# Altium PCB SG1.PcbDoc (part 1 of 3)
Units mil, origin at the board's own origin, x right, y up, seen from the top; angles counter-clockwise.
Board outline 5869 x 5955 mil, 6 copper layers (Top Layer, GND, PWR, SIGN, GND (Plane2), Bottom Layer), stack 61.068 mil thick; 119 components, 91 nets, 465 pads, 399 vias.
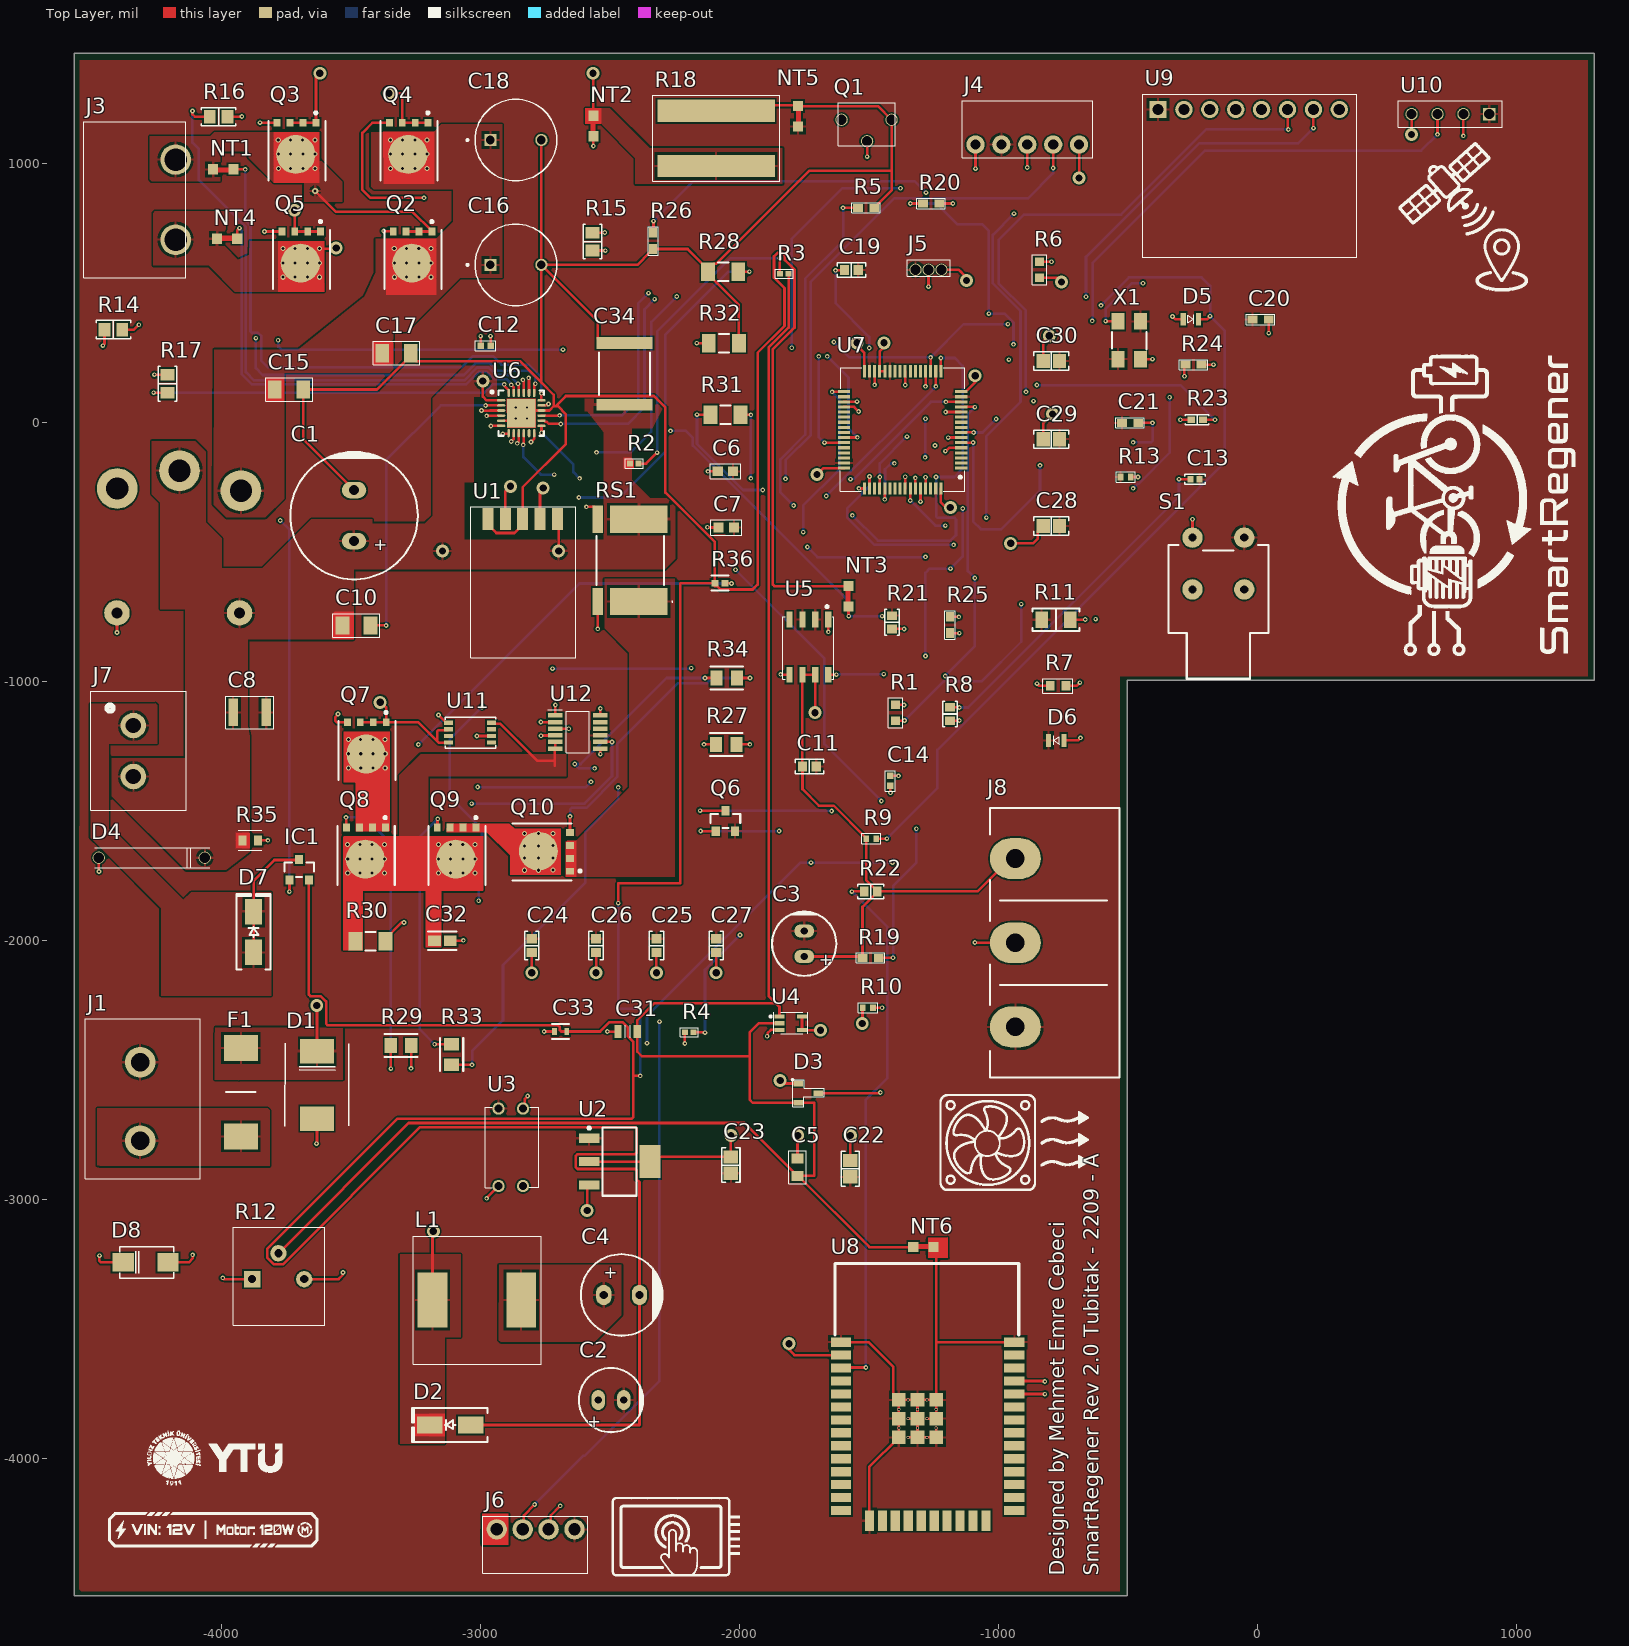
[diagram p0: Top Layer view]
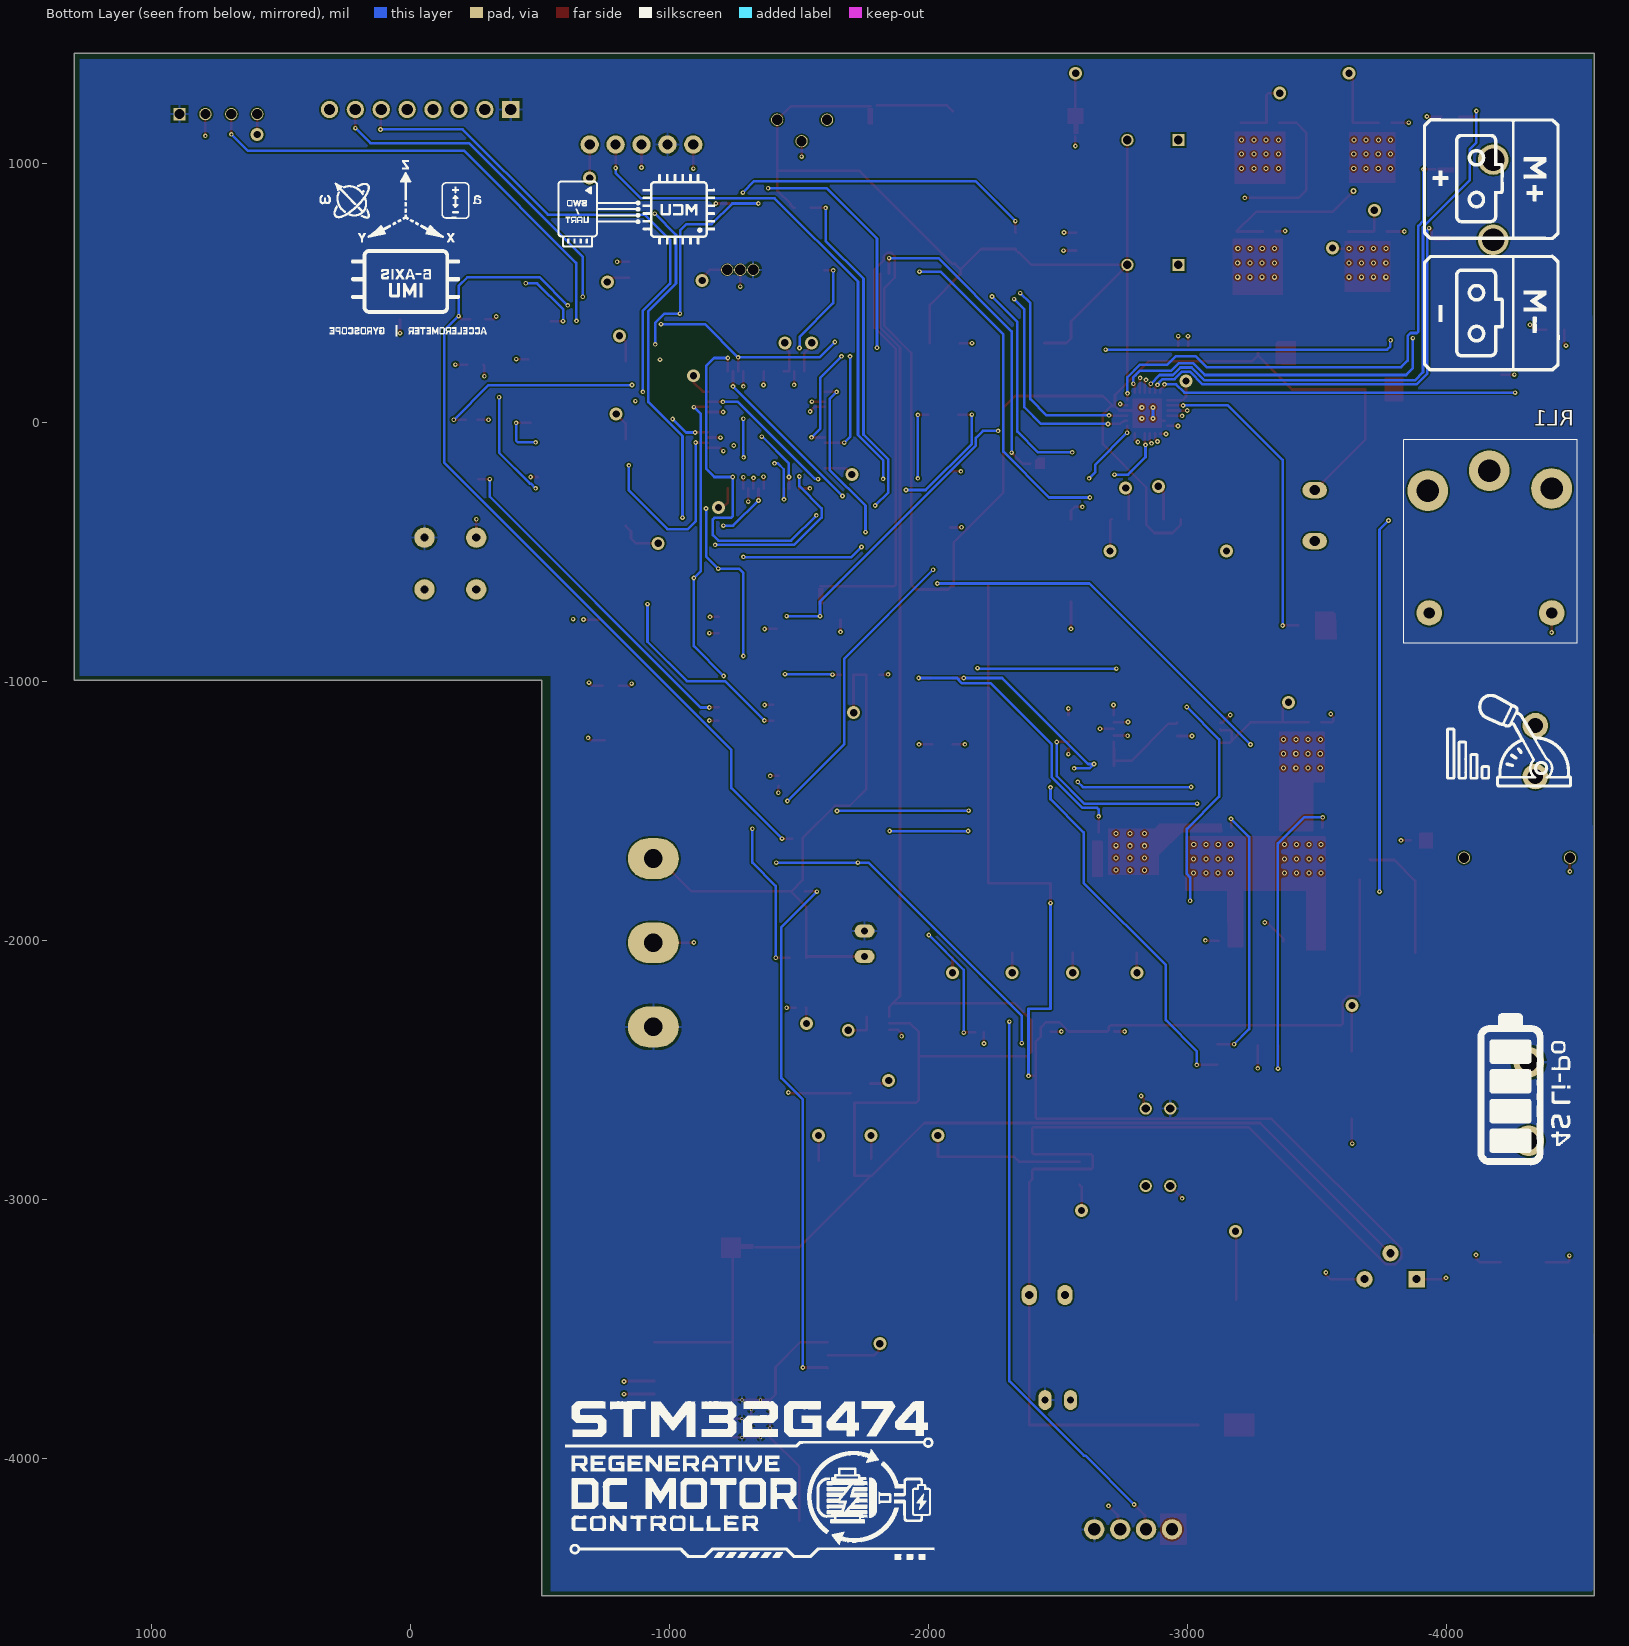
[diagram p1: Bottom Layer view, seen from below]
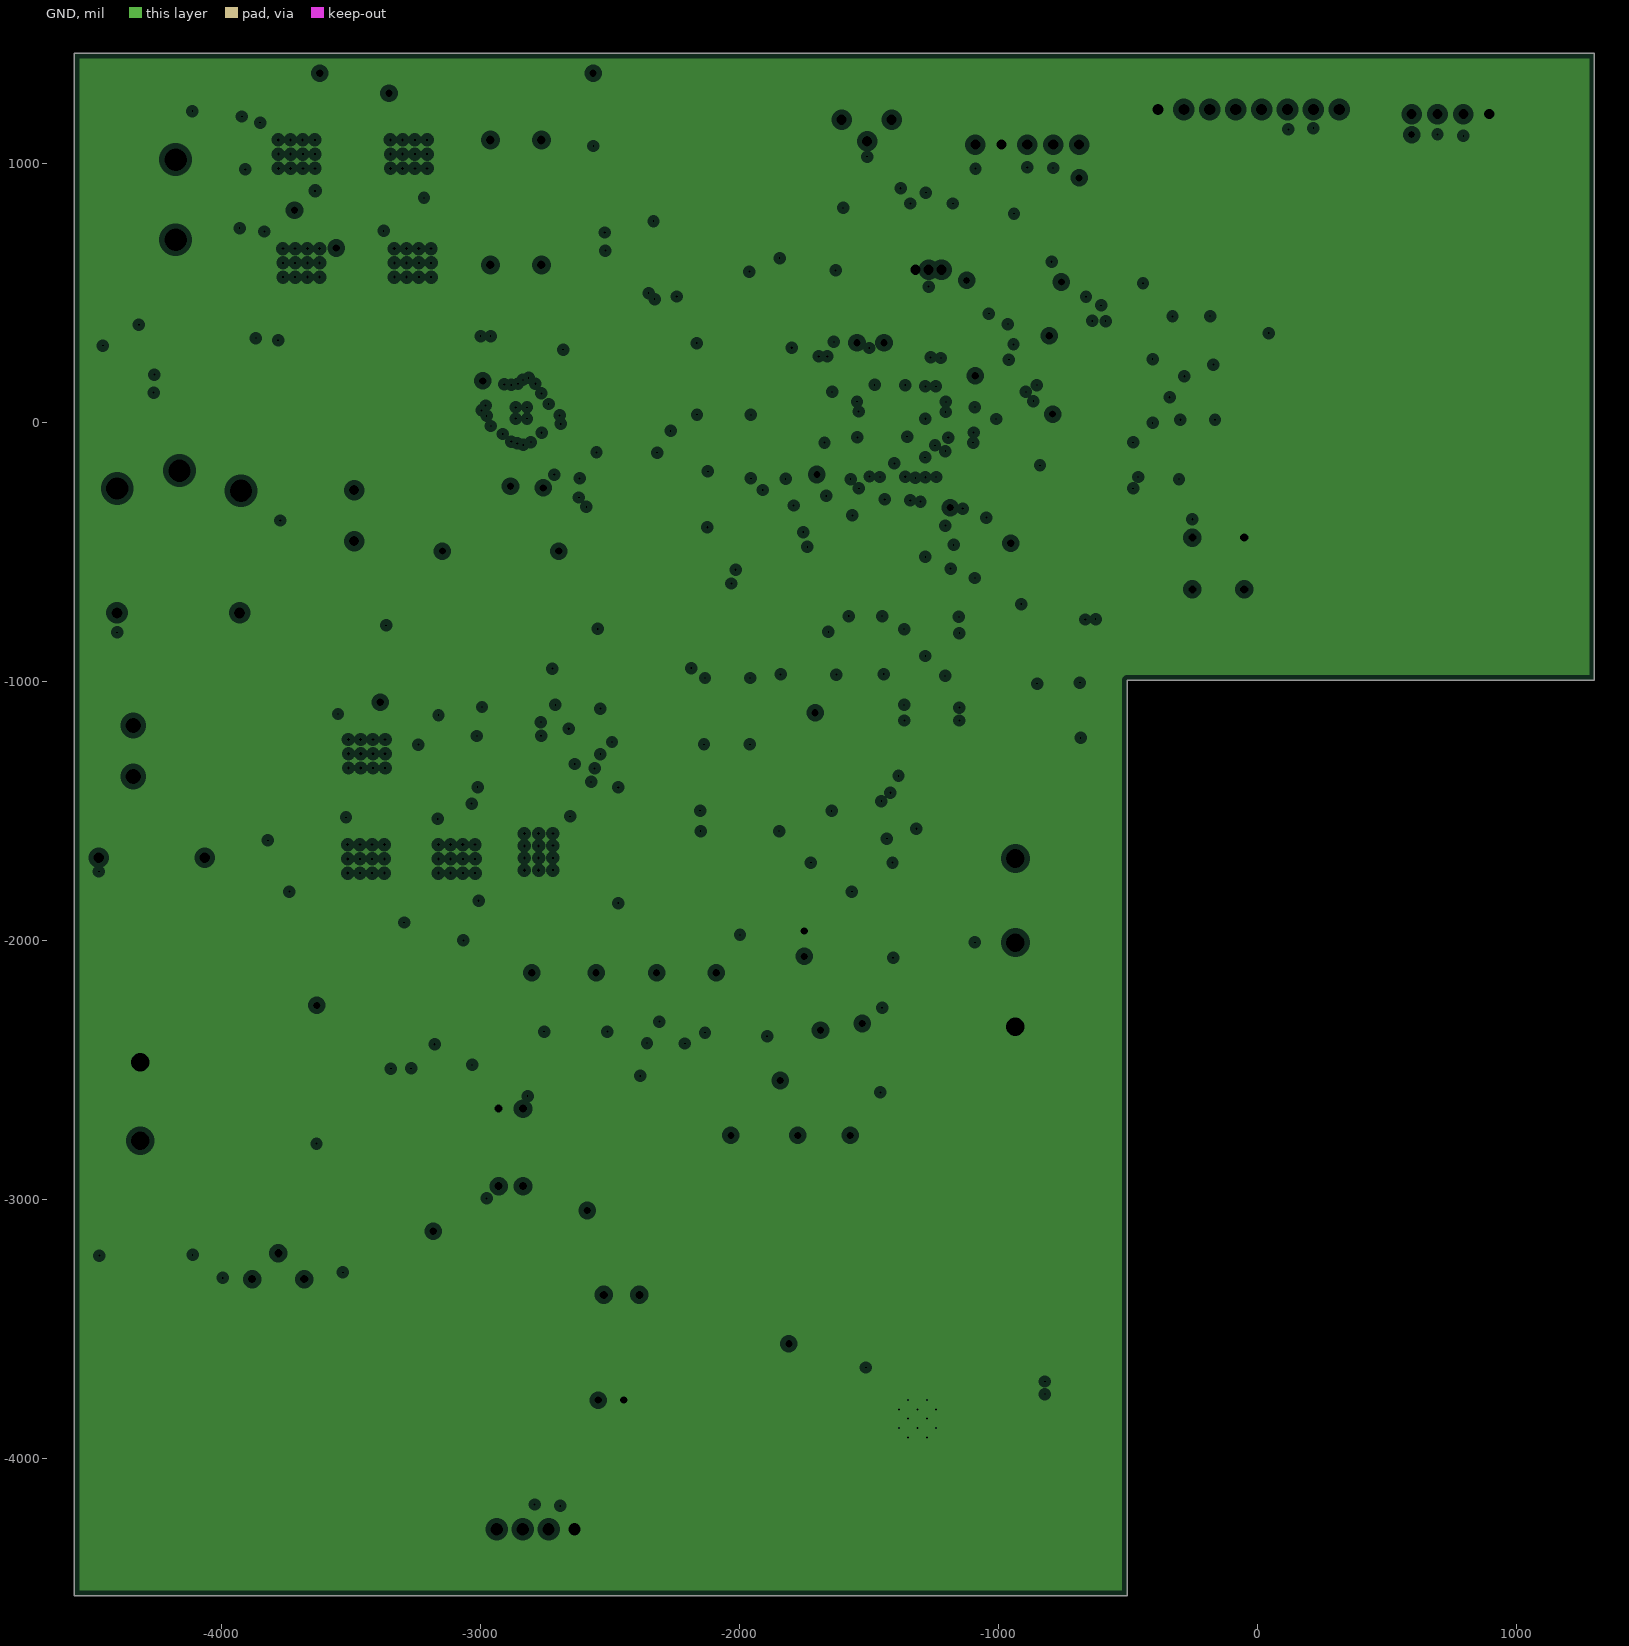
[diagram p2: GND, clearances drawn from the general rule]
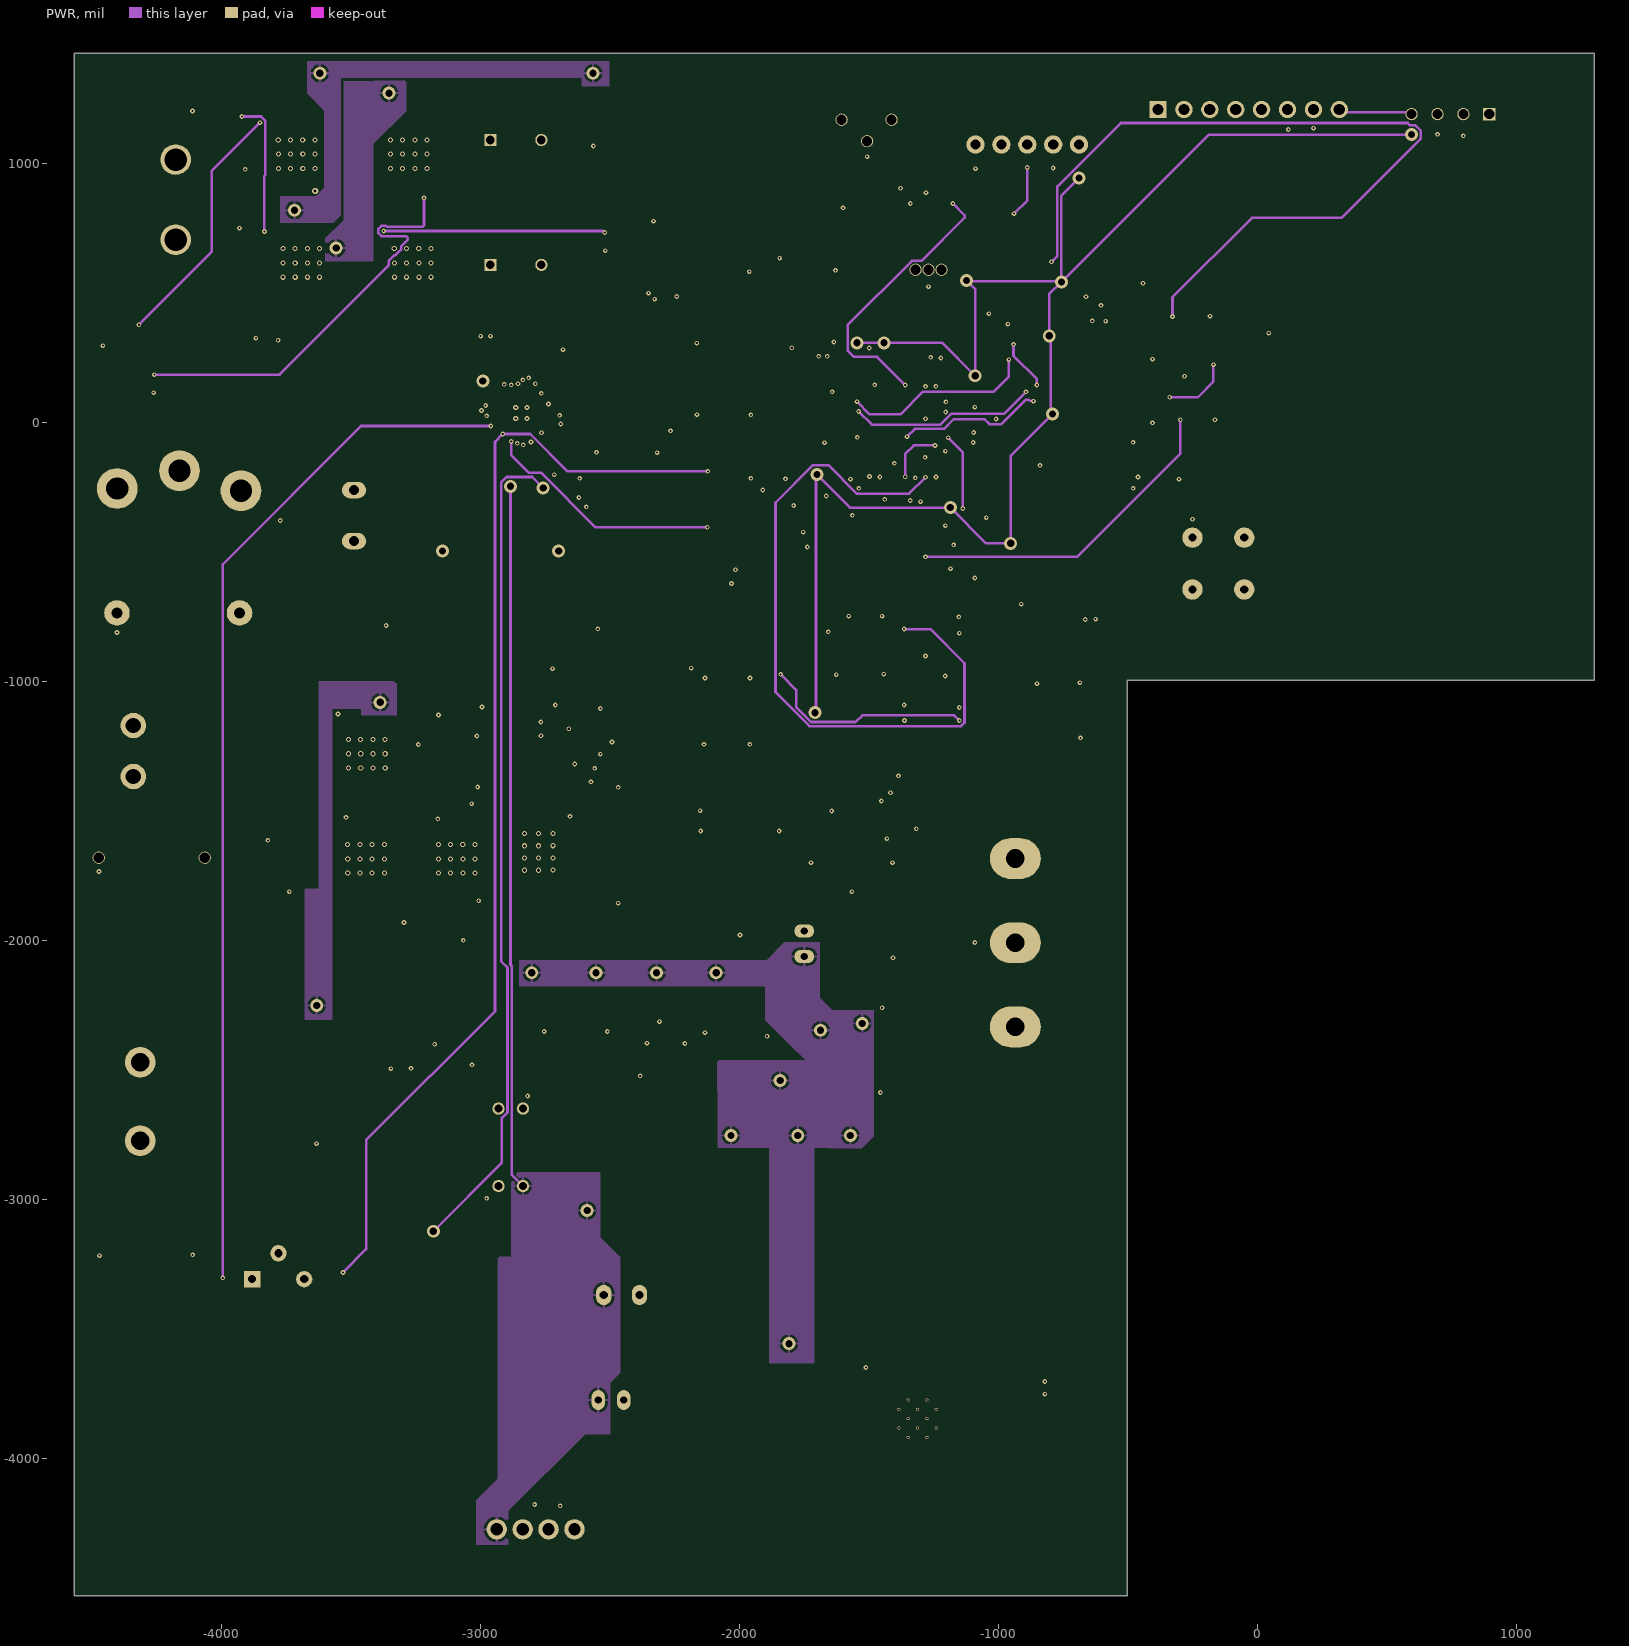
[diagram p3: PWR]
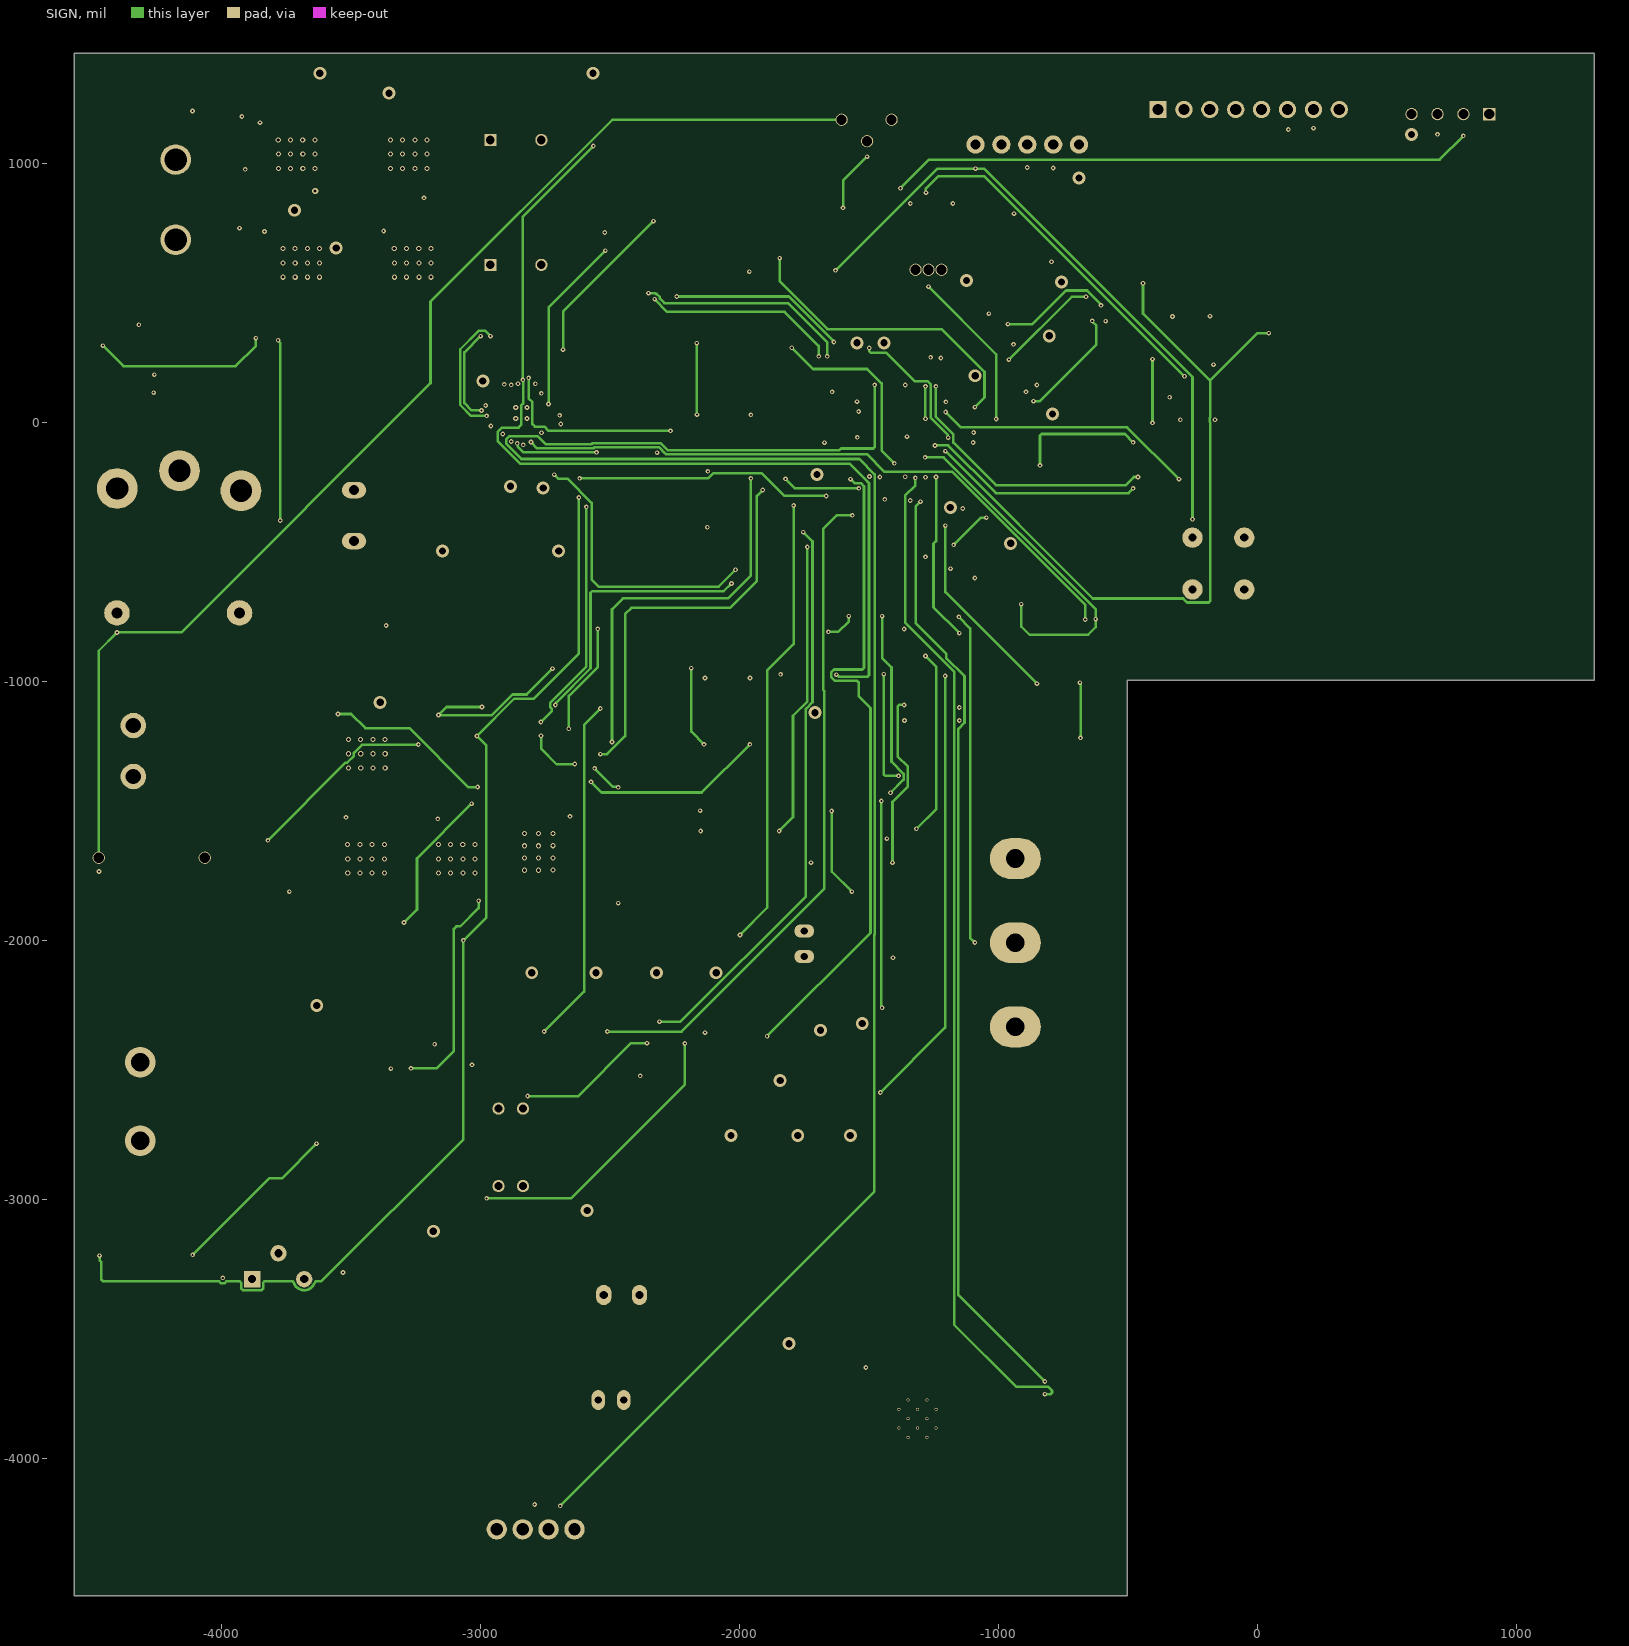
[diagram p4: SIGN]
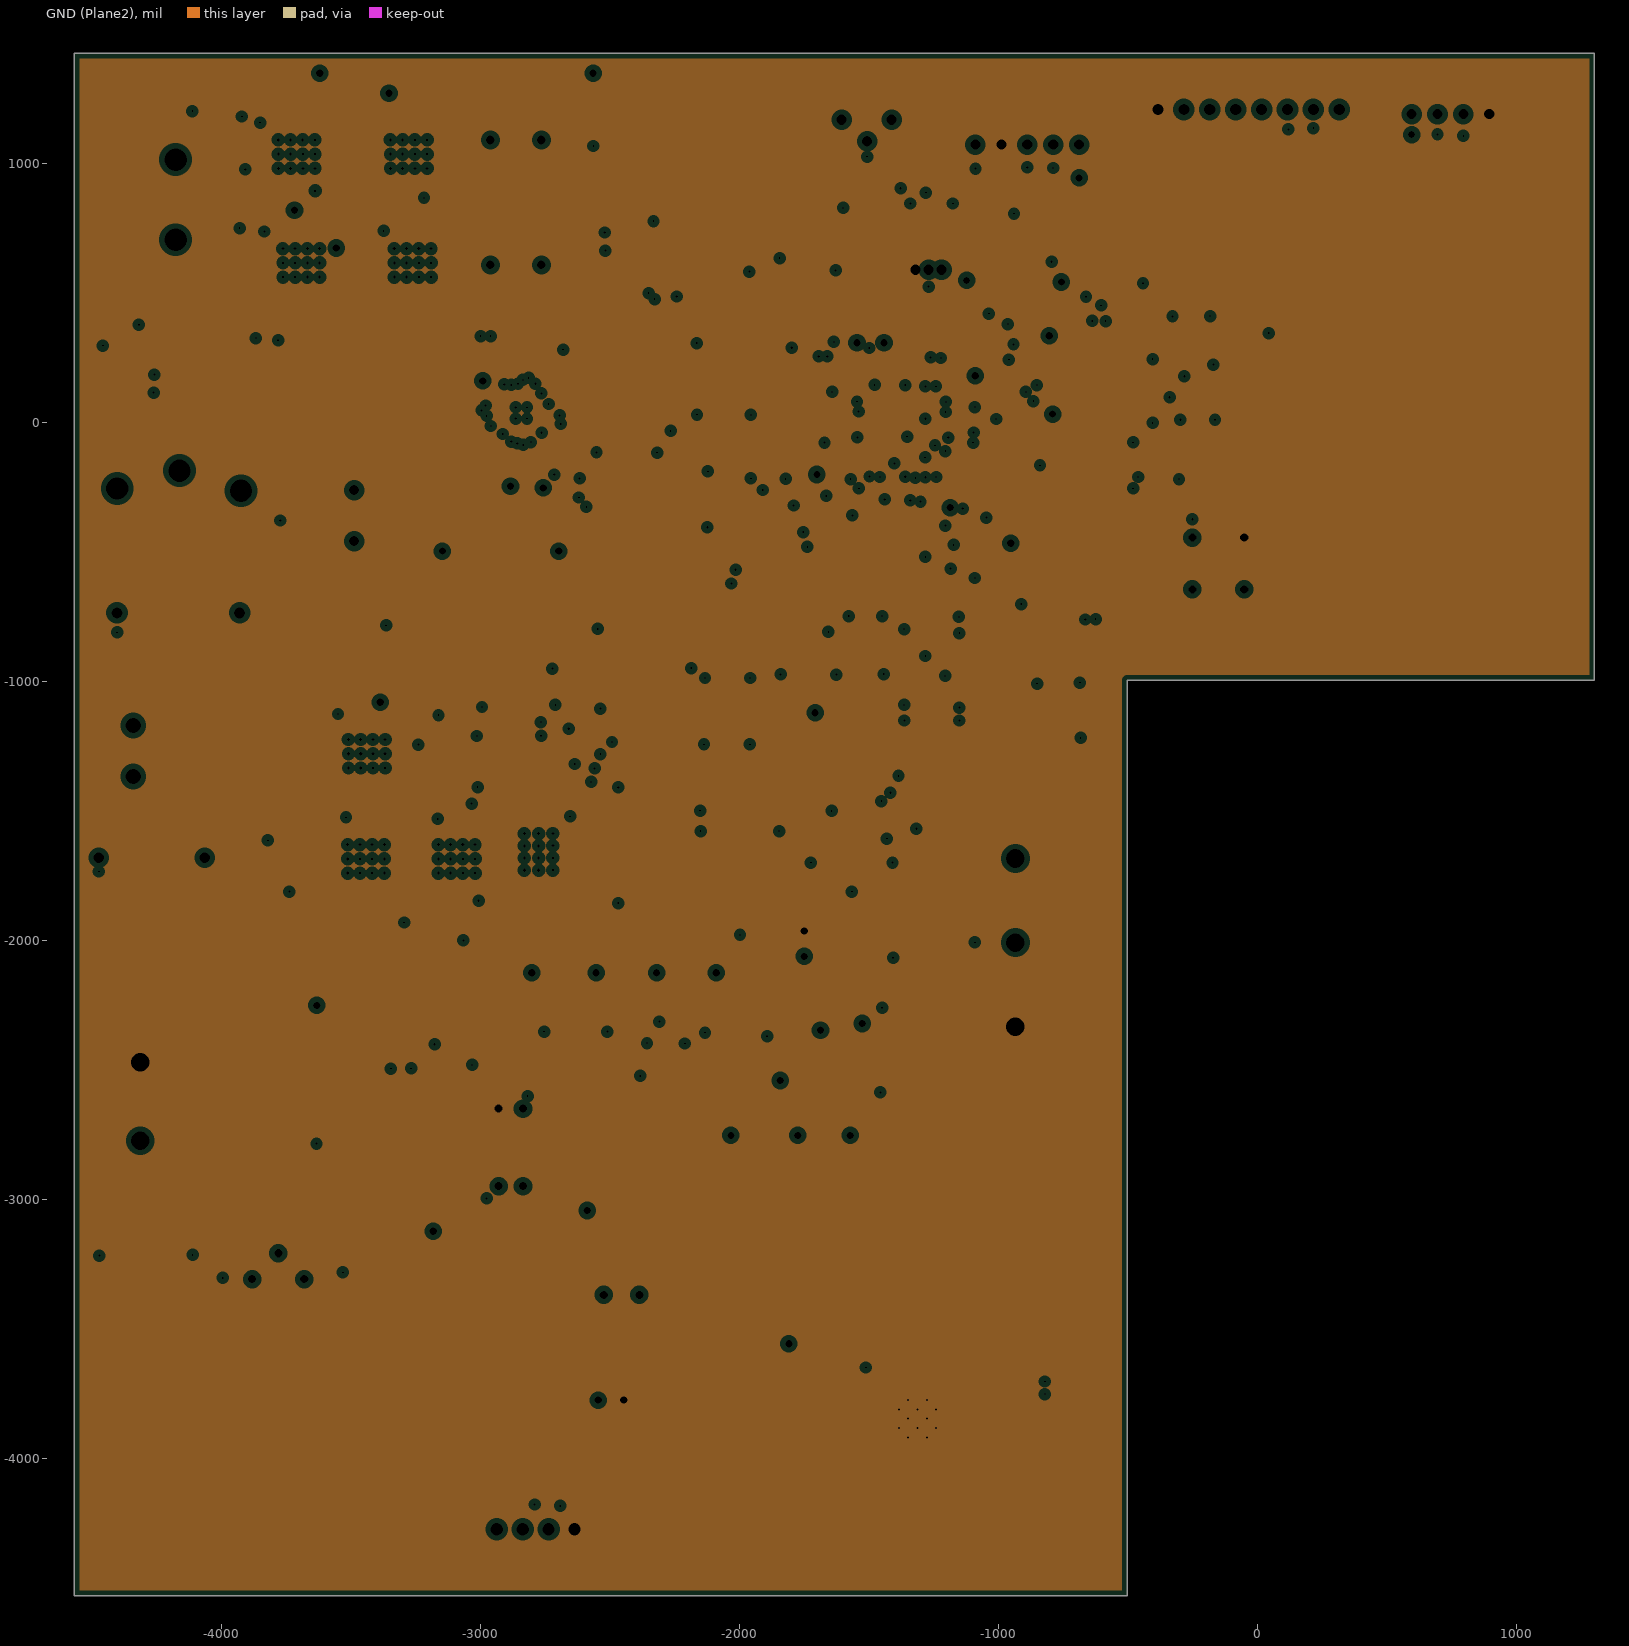
[diagram p5: GND (Plane2), clearances drawn from the general rule]